# KiCad board NanoGaN.kicad_pcb (continued)
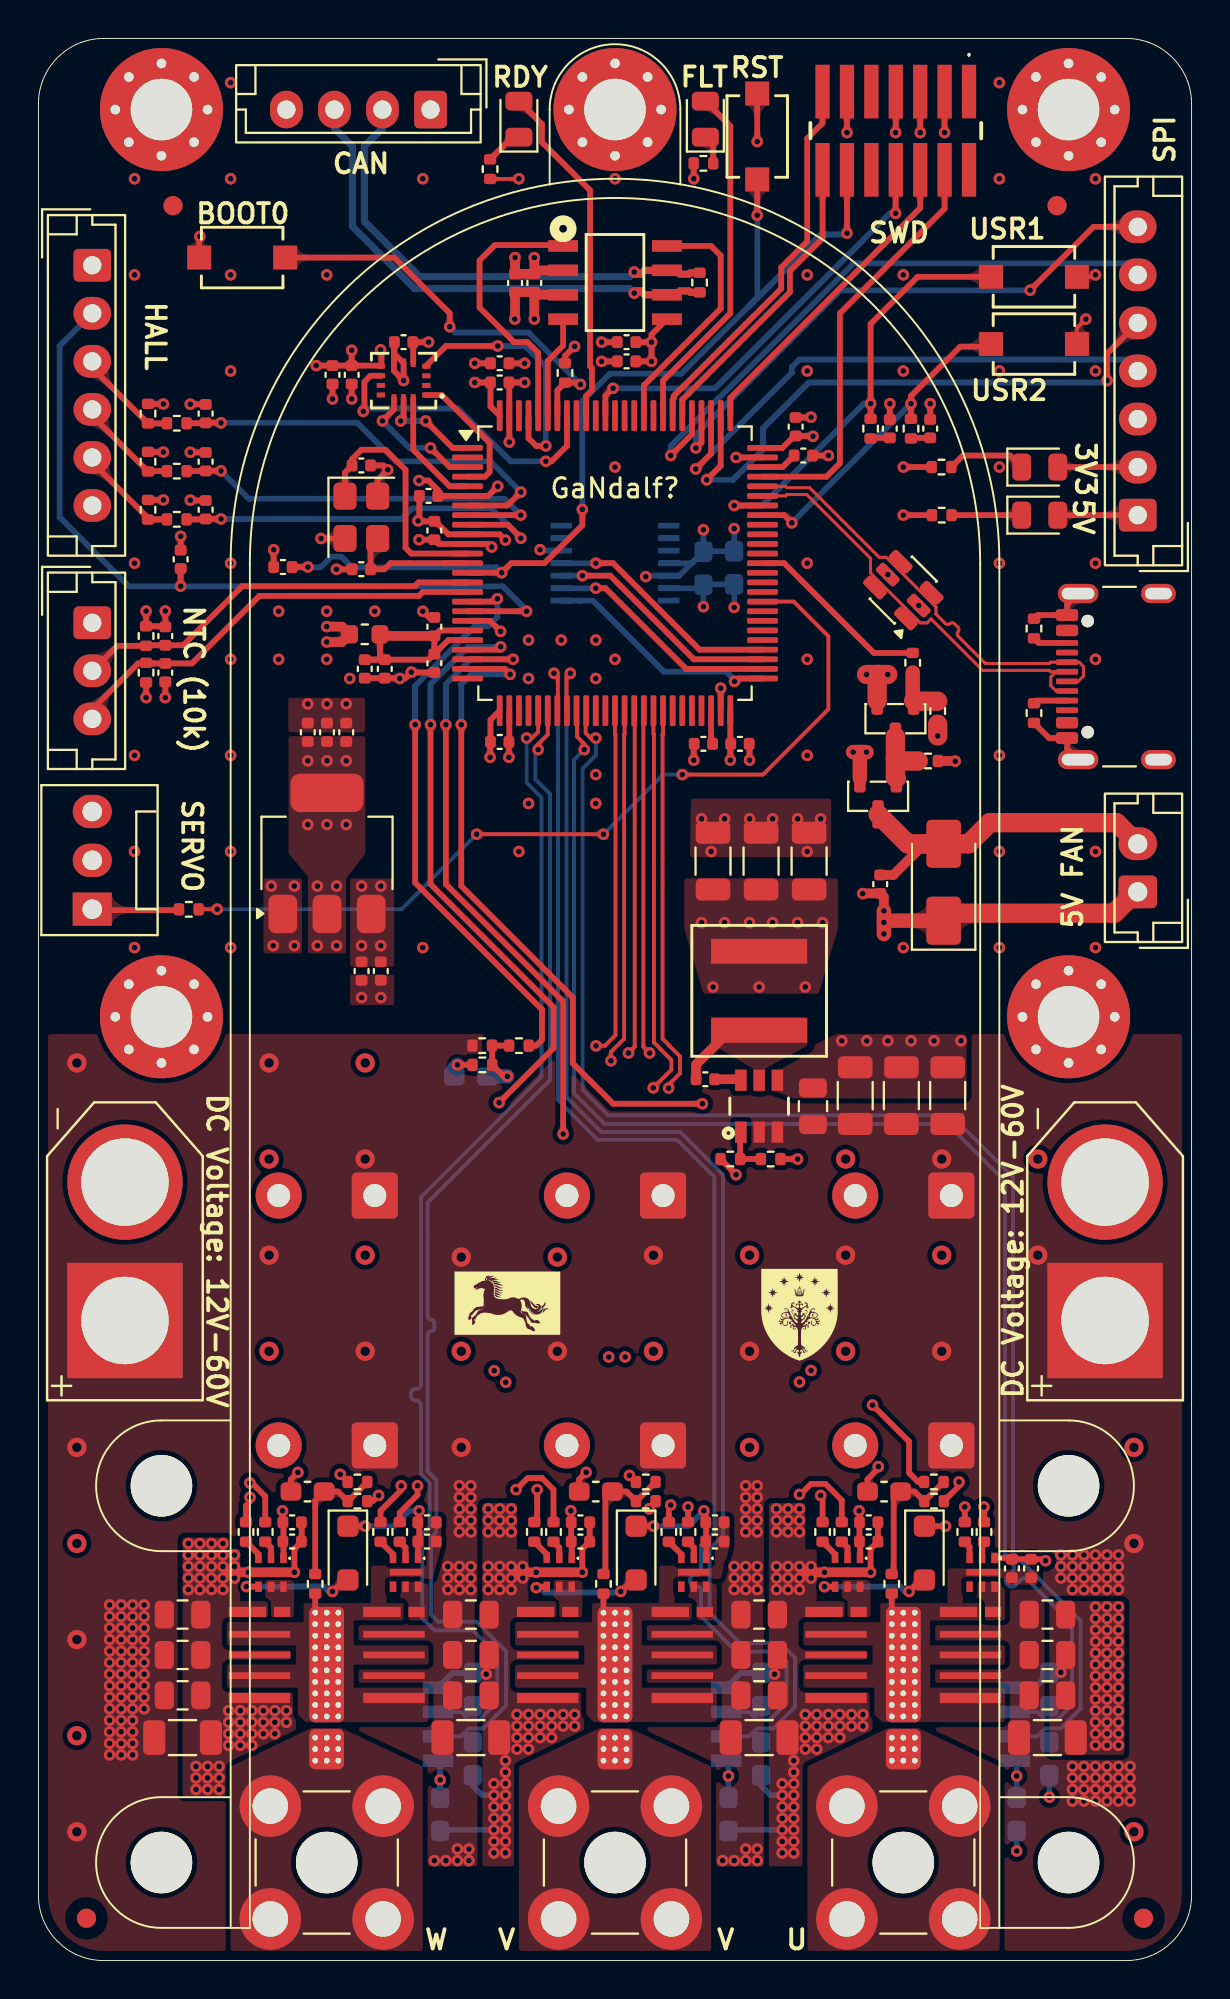
[diagram p0: board, top side]
## Routing (per net, layer and track width the routed paths; a pad name or vN(x,y) marks a point on that pad's centre or on a via; arc(x,y) is an arc through that point) (continued)
/Connectors/CAN+: length 25.7
  Top w0.158: U15.7 32.22,87.94
  Top w0.373: R6.1 33.92,87.81 33.85,87.74 33.37,87.74 33.17,87.94 U15.7 31.54,87.94 31.34,87.74 31.11,87.74 v1(31,87.85)
  Bottom w0.373: v1(31,87.85) 30.76,87.61 19.83,87.61 16.96,90.48 16.96,94.39 17.9,95.33 J11.2
/Connectors/CAN-: length 26.7
  Top w0.158: U15.6 32.22,86.67
  Top w0.2: 32.72,86.69 U15.6
  Top w0.373: R6.2 33.92,86.79 33.85,86.86 33.37,86.86 33.17,86.67 U15.6 31.54,86.67 31.34,86.86 31.11,86.86 v1(31,86.75)
  Bottom w0.373: J11.3 15.4,95.33 16.34,94.39 16.34,90.22 19.57,86.99 30.76,86.99 v1(31,86.75)
/Connectors/D+: length 22.7
  Top w0.152: 53.53,67.55 54.15,67.55 54.38,67.32 54.38,66.83 54.1,66.55 53.53,66.55
  Top w0.158: U1.71 38.88,76.7 38.95,76.63 40.12,76.63 43.75,73.01 44.11,73.01 46.71,70.41 46.71,70.06 46.7,70.06 47.2,69.56 arc(47.31,69.51) 47.43,69.56 arc(47.54,69.6) 47.66,69.56 47.85,69.36 arc(47.9,69.25) 47.85,69.13 arc(47.8,69.02) 47.85,68.9 49.27,67.48 52.59,67.48 52.66,67.55 53.53,67.55
/Connectors/D-: length 22.7
  Top w0.152: 53.53,67.05 52.95,67.05 52.67,66.77 52.67,66.33 52.95,66.05 53.53,66.05
  Top w0.158: U1.70 38.88,76.2 38.95,76.27 39.98,76.27 43.29,72.95 43.29,72.19 45.89,69.59 46.24,69.59 46.44,69.8 49.13,67.12 52.59,67.12 52.66,67.05 53.53,67.05
/Connectors/EXT_TEMP1: length 21.4
  Top w0.3: 2.81,67.09 J7.2 4.1,68.4 R21.1 5.63,68.43 C53.1 7.53,68.43 10.6,71.5 19.57,71.5 19.78,71.7 U1.15
/Connectors/EXT_TEMP2: length 22.6
  Top w0.2: J7.3 2.8,64.72
  Top w0.3: 6,67.49 C52.1 7.98,67.49 11.5,71 19.8,71 20,71.2 U1.16 ; 6,67.49 5.63,67.49 R11.1 5.59,67.51 ; 6,67.49 5.18,67.49 2.8,65.1
/Connectors/FAN_GATE: length 3.4
  Top w1: 44.59,62.51 44.69,62.41 R40.2 ; 44.59,62.51 44.59,61.56 Q7.2 ; 44.59,62.51 Q8.1
/Connectors/FAN_GATE_B: length 2.7
  Top w0.75: R43.1 45.49,65.6 Q8.2
  Top w1: Q8.2 45.57,65.52 R42.1
/Connectors/FAN_PWM: length 9.7
  Top w0.3: U1.63 38.8,72.7 43.47,68.03 R43.2
/Connectors/FANN: length 19
  Top w0.5: 46.1,58.1 44.48,56.48 C93.2
  Top w1: Q7.1 45.22,58.1 46.1,58.1 ; D3.2 46.1,58.1 ; 46.1,58.1 48.4,58.1 49.5,59.2 56.1,59.2 J8.2
/Connectors/HALL1: length 22
  Top w0.3: R34.2 8.68,79.98 C19.1 9.48,80 9.5,79.98 ; U1.7 24.4,75.7 v1(25.1,76.4)
  Bottom w0.3: v1(25.1,76.4) 25.1,76.42 23.52,78 18.59,78 16.59,80 v1(9.5,80)
/Connectors/HALL2: length 21.1
  Top w0.3: R35.2 8.69,77.49 C61.1 9.48,77.5 9.5,77.48 ; U1.8 v1(25.1,75.2)
  Bottom w0.3: v1(25.1,75.2) 24.25,76.05 23.63,76.05 23.63,76.05 10.95,76.05 v1(9.5,77.5)
/Connectors/HALL3: length 21.4
  Top w0.3: R36.2 8.68,74.98 C62.1 9.58,75 ; v1(25.1,74) 25.1,74.02 24.42,74.7 U1.9
  Bottom w0.3: v1(9.5,75) 18.9,75 19.45,75.55 23.57,75.55 25.1,74.02 v1(25.1,74)
/Connectors/HALL_IN1: length 5.4
  Top w0.3: R34.1 6.68,79.97 R29.2 2.8,82.87 J10.3 2.81,83.19
/Connectors/HALL_IN2: length 5.4
  Top w0.3: J10.4 2.8,80.37 R31.2 5.72,77.49 R35.1
/Connectors/HALL_IN3: length 6.4
  Top w0.3: J10.5 2.8,77.95 5.77,74.98 R36.1 5.71,74.98 R33.2
/Connectors/MOTOR_TEMP: length 41.7
  Top w0.3: v1(25.4,70.2) U1.18 ; 2.82,85.72 J10.2 ; C60.1 v1(7.4,71.5)
  Bottom w0.3: v1(25.4,70.2) 25.4,70.25 24.53,71.12 24.53,71.12 24.15,71.5 v1(7.4,71.5) 4.7,71.5 1.1,75.1 1.1,84 J10.2
/Connectors/NRST: length 58.5
  Top w0.3: C55.1 v1(14.02,72.5) ; U1.14 v1(24.1,72.2) 24.6,72.7 26.32,72.7 28.3,74.68 v1(28.3,75.5) ; v1(37.4,90.8) 37.4,92.4 ; v1(42.07,89.87) 42.07,93.17
  Bottom w0.3: 40.7,89.8 41.6,89.8 ; 40.7,89.8 41.6,89.8 ; 40.7,89.8 33.45,82.55 29.73,82.55 28.3,81.12 v1(28.3,75.5) ; 40.7,89.8 36.95,86.05 37.4,86.5 v1(37.4,90.8) ; v1(24.1,72.2) 23.81,72.49 16.15,72.49 16.15,72.65 15.77,73.04 15.23,73.04 14.68,72.49 14.03,72.49 v1(14.02,72.5) ; v1(42.07,89.87) 42,89.8 41.6,89.8
/Connectors/SERVO: length 45
  Top w0.2: v1(33.5,61.7) 37.7,61.7 41.1,65.1 41.1,68.9 39.3,70.7 U1.59 ; v1(9.3,54.7) 8.34,54.7 R39.2 ; v1(29.4,58.6) v1(22.8,58.6)
  Bottom w0.2: v1(29.4,58.6) 32.5,61.7 v1(33.5,61.7) ; v1(9.3,54.7) 18.9,54.7 v1(22.8,58.6)
/Connectors/SERVO_IN: length 4.3
  Top w0.3: 7.35,54.69 7.31,54.65 3.02,54.65
/Connectors/SPI3_MISO_I2C5_SCL: length 30
  Top w0.3: v1(51.6,86.9) 54.9,90.2 J9.7 ; U1.79 34.5,78.98 v1(34.21,78.69)
  Bottom w0.3: v1(51.6,86.9) 41.72,86.9 35.62,80.8 35.61,80.8 34.21,79.4 v1(34.21,78.69)
/Connectors/SPI3_MOSI_I2C5_SMBA: length 31.5
  Top w0.3: U1.80 34,79.4 v1(32.9,78.3)
  Bottom w0.3: v1(32.9,78.3) 32.9,78.8 35.4,81.3 35.41,81.3 42.41,88.3 56.6,88.3 J9.6
/Connectors/SPI3_NSS: length 30.9
  Top w0.3: U1.77 35.5,77.77 v1(34.77,77.03) ; J9.5 55.6,83.6 v1(55.6,82.2)
  Bottom w0.3: v1(55.6,82.2) 55.5,82.1 40.08,82.1 37.7,79.72 37.7,78.6 36.13,77.03 v1(34.77,77.03)
/Connectors/SPI3_SCK_I2C5_SDA: length 28.9
  Top w0.3: U1.78 35,78.4 v1(34.2,77.6)
  Bottom w0.3: J9.4 56.6,83.3 39.6,83.3 39.2,82.9 39.2,82.6 v1(34.2,77.6)
/Connectors/SWCLK: length 16.9
  Top w0.3: U1.76 36,81.3 45.88,91.18 45.88,93.17
/Connectors/SWDIO: length 21.5
  Top w0.3: 47.15,92.87 47.15,91.15 41.7,85.7 41.7,77.9 41,77.2 U1.72
/Connectors/SWO: length 22
  Top w0.3: 44.61,93.17 44.6,93.16 v1(44.6,90.9) ; v1(29.9,81.8) 29.5,81.4 U1.89
  Bottom w0.3: v1(29.9,81.8) 35.2,81.8 44.3,90.9
/Connectors/USBCC1: length 1.8
  Top w0.3: 53.53,65.55 51.94,65.55 R38.1
/Connectors/USBCC2: length 1.8
  Top w0.3: 53.53,68.55 52.04,68.55 R37.1
/Connectors/VCP_RX: length 20.1
  Top w0.3: U1.82 33,81.2 33.05,81.25 33.05,81.39 33.1,81.44 33.1,81.44 33.58,81.93 33.59,81.93 38.65,86.99 38.65,88.09 40,89.44 40,94.8 40.8,95.6 J6.13
/Connectors/VCP_TX: length 15.8
  Top w0.3: U1.81 33.5,81.2 33.55,81.25 33.55,81.26 33.77,81.48 33.78,81.48 39.1,86.8 39.1,87.9 40.8,89.6 40.8,93.17
/HalfBridgeU/BST: length 6
  Top w0.3: D7.2 45.9,19.8 v1(45.3,19.2) ; 40.95,19.45 40.96,19.45 U11.5
  Bottom w0.3: v1(40.9,19.45) 44.85,19.45 45.1,19.2 v1(45.3,19.2)
/HalfBridgeU/BST_OUT: length 9.8
  Top w0.3: U5.1 50.58,20.95 C31.2 C22.2 52.32,20.88 v1(52.4,20.8) ; D7.1 v1(47.2,22.6)
  In3.Cu w0.3: v1(47.2,22.6) 50.6,22.6 v1(52.4,20.8)
/HalfBridgeU/GATE+: length 65.6
  Top w0.15: 40.55,24.05 v1(40.7,24.2)
  Top w0.158: 32.43,64.95 32.5,65.03
  Top w0.2: v1(32.79,45.39) 32.79,45.57 33.38,46.16 33.38,47.04 32.8,47.62 32.8,47.63 32.47,47.96 32.47,63.8 32.5,63.82 32.5,65.03
  Top w0.3: v1(49.19,23.6) 49.2,23.59 R8.1 ; 40.8,24.2 v1(40.7,24.2) 40.8,24.1 R45.1
  In2.Cu w0.2: v1(40.7,24.2) 40.2,24.7 40.2,26.83 arc(40.27,27) 40.44,27.07 40.67,27.07 arc(40.84,27.14) 40.91,27.31 40.91,27.43 arc(40.84,27.6) 40.67,27.67 40.44,27.67 arc(40.27,27.74) 40.2,27.91 40.2,28.03 arc(40.27,28.2) 40.44,28.27 40.77,28.27 arc(40.94,28.34) 41.01,28.51 41.01,28.63 arc(40.94,28.8) 40.77,28.87 40.44,28.87 arc(40.27,28.94) 40.2,29.11 v1(40.2,30.7) 39.92,30.7 35.32,35.29 35.32,41.59 32.62,44.3 32.62,45.22 v1(32.79,45.39)
  In3.Cu w0.2: v1(40.2,30.7) 40.35,30.55 47.37,30.55 49.82,28.09 49.82,25.41 48.92,24.5 48.92,23.87 v1(49.19,23.6) 49.2,23.59
/HalfBridgeU/GATE-: length 65
  Top w0.2: 32,65.03 32,63.82 32.03,63.8 32.03,47.77 32.03,47.77 32.35,47.44 32.35,47.43 32.93,46.85 32.93,46.35 v1(31.99,45.4)
  Top w0.3: v1(39.6,24.25) 39.65,24.25 40.2,24.8 40.95,24.8 41.8,23.95 R44.1 ; R9.1 v1(48.2,23.6)
  In2.Cu w0.2: v1(31.99,45.4) 32.17,45.22 32.17,44.11 34.88,41.41 34.88,35.11 39.6,30.38 v1(39.6,30.1) 39.75,29.95 39.75,24.35 39.65,24.25 v1(39.6,24.25)
  In3.Cu w0.2: v1(39.6,30.1) 47.18,30.1 49.38,27.91 49.38,25.59 48.47,24.69 48.47,23.87 v1(48.2,23.6)
/HalfBridgeU/H+: length 0.9
  Top w0.3: U5.2 49.1,21.69 R8.2
/HalfBridgeU/H-: length 0.9
  Top w0.3: R9.2 48.45,21.54 U5.3
/HalfBridgeU/HS: length 1
  Top w0.3: R10.1 U_HB_PAD.1
/HalfBridgeU/I_CURR_SENS+: length 78.4
  Top w0.2: 28.41,63.01 28.41,63.29 28.03,63.67 28.03,64.35 28,64.38 28,65.03
  Bottom w0.2: 51.12,12.73 50.86,12.73 ; 28.41,63.01 27.88,62.48 27.88,45.11 29.46,43.53 47.31,43.53 50.3,40.53 50.3,21 50.7,20.6 50.7,20.58 arc(50.77,20.41) 50.7,20.24 50.4,19.94 arc(50.33,19.77) 50.4,19.6 50.48,19.51 arc(50.65,19.44) 50.82,19.51 51.12,19.82 arc(51.29,19.89) 51.46,19.82 53.78,17.51 53.78,13.29 53.01,12.53 52.39,12.53 51.98,12.94 U4.4
  vias: v1(28.4,63)
/HalfBridgeU/I_CURR_SENS-: length 77.8
  Top w0.2: 29.01,63.61 28.72,63.61 28.47,63.86 28.47,64.35 28.5,64.38 28.5,65.03
  Bottom w0.2: U4.5 51.98,11.67 52.39,12.08 53.19,12.08 54.22,13.11 54.22,17.69 50.7,21.22 50.7,40.77 47.49,43.98 29.64,43.98 28.33,45.29 28.33,62.03 29.01,62.71 29.01,62.97 29.01,63.61
  vias: v1(29,63.6)
/HalfBridgeU/L+: length 1
  Top w0.3: R44.2 42.1,21.49 U11.2
/HalfBridgeU/L-: length 1.1
  Top w0.3: R45.2 41.45,21.14 U11.3
/HalfBridgeU/U_PHASE_SENS: length 59.7
  Top w0.3: 24.49,66.92 v1(24.54,66.92) 24.26,67.2 U1.24 ; v1(34.55,44.58) 29.91,44.58 27.8,46.68 27.8,50.11 22,55.91 v1(22,64.3) 22,64.43 ; v1(43.4,28.9) 45.3,27 45.3,25.37 45.77,24.9 R19.2
  In2.Cu w0.3: 34.55,44.57 38.85,40.27 38.85,37.15 43.4,32.6 v1(43.4,28.9)
  Bottom w0.3: v1(24.54,66.92) 22.52,66.92 22,66.4 v1(22,64.3) 22,64.37
/HalfBridgeV/BST: length 6.3
  Top w0.3: 30.76,19.51 30.78,19.48 ; U12.5 25.9,19.45 ; v1(30.3,19.2) 30.9,19.8 D8.2
  Bottom w0.3: 25.9,19.45 26.05,19.45 26.35,19.15 30.4,19.15
  vias: v1(25.9,19.4)
/HalfBridgeV/BST_OUT: length 6.3
  Top w0.3: v1(34.62,23.4) 34.72,23.31 C48.2 ; 34.7,22.7 34.74,22.66 34.74,21.76 34.75,21.75 U8.1 ; D8.1 32.03,22.6
  Bottom w0.3: 32.03,22.6 33.82,22.6 v1(34.62,23.4)
  vias: v1(32,22.6)
/HalfBridgeV/GATE+: length 60.8
  Top w0.15: 25.8,24.35 v1(25.95,24.5)
  Top w0.2: v1(31.8,47.22) 31.48,47.54 31.48,65 31.5,65.03
  Top w0.3: R47.1 25.95,22.96 v1(25.95,24.5) ; R15.1 v1(33.8,23.6)
  In2.Cu w0.2: v1(31.8,47.22) 31.48,46.89 31.48,46.36 30.33,45.21 30.33,34.2 arc(30.4,34.03) 30.57,33.96 30.99,33.96 arc(31.16,33.89) 31.23,33.72 31.23,33.6 arc(31.16,33.43) 30.99,33.36 30.57,33.36 arc(30.4,33.29) 30.33,33.12 30.33,31.6 v1(30.53,31.4) 29.3,30.18 27.89,30.18 27.01,29.29 arc(26.94,29.12) 27.01,28.95 27.11,28.84 arc(27.18,28.68) 27.11,28.51 27.03,28.42 arc(26.86,28.35) 26.69,28.42 26.58,28.53 arc(26.41,28.6) 26.24,28.53 25.62,27.91 25.62,24.83 v1(25.95,24.5)
  In3.Cu w0.2: v1(33.8,23.6) 33.8,23.96 34.82,24.99 34.82,28.29 33.89,29.23 31.79,29.23 30.33,30.69 30.33,31.2 v1(30.53,31.4)
/HalfBridgeV/GATE-: length 61.9
  Top w0.2: 31,65.03 31.02,65 31.02,47.54 v1(30.7,47.22)
  Top w0.3: v1(24.85,24.5) 25.45,25.1 26.2,25.1 26.8,24.5 R46.1 ; v1(32.9,23.7) 32.8,23.6 R16.1
  In2.Cu w0.2: v1(24.85,24.5) 25.17,24.83 25.17,28.09 27.71,30.63 29.11,30.63 29.67,31.19 v1(29.67,31.4) 29.87,31.6 29.87,45.39 31.02,46.54 31.02,46.89 v1(30.7,47.22)
  In3.Cu w0.2: v1(32.9,23.7) 34.38,25.18 34.38,28.11 33.71,28.78 31.61,28.78 arc(31.44,28.85) 31.27,28.78 31.05,28.55 arc(30.88,28.48) 30.71,28.55 30.62,28.64 arc(30.55,28.81) 30.62,28.98 30.84,29.2 arc(30.91,29.37) 30.84,29.54 29.87,30.51 29.87,31.2 v1(29.67,31.4)
/HalfBridgeV/H+: length 1
  Top w0.3: U8.2 34.1,21.49 R15.2
/HalfBridgeV/H-: length 1.1
  Top w0.3: R16.2 33.45,21.14 U8.3
/HalfBridgeV/HS: length 1.7
  Top w0.3: 32.25,18.05 32.34,18.14 Q3.6 ; R20.1 HB_PAD_U.1
  Top w0.5: 35.65,21.81 35.66,21.8
/HalfBridgeV/I_CURR_SENS+: length 70.4
  Top w0.2: 27,65.03 27.02,65.05 27.02,66.77 v1(26.82,66.97)
  Bottom w0.2: 27.02,66.77 27.02,44.78 29.1,42.7 29.13,42.7 29.13,42.7 33.23,42.7 35.17,40.76 35.17,22.29 34.47,21.59 34.47,20.31 arc(34.4,20.14) 34.23,20.07 34.15,20.07 arc(33.98,20) 33.91,19.83 33.91,19.71 arc(33.98,19.54) 34.15,19.47 34.23,19.47 arc(34.4,19.4) 34.47,19.23 34.47,17.91 36.31,16.08 38.41,16.08 38.92,15.56 38.92,13.39 38.06,12.53 37.39,12.53 36.98,12.94 U6.4 ; 27.03,66.77 v1(26.82,66.97) 27.02,66.77 ; 37.5,13.24 37.5,13.66 ; 35.79,13.14 36.25,13.14
/HalfBridgeV/I_CURR_SENS-: length 70
  Top w0.2: 27.5,65.03 27.48,65.05 27.48,66.77 v1(27.67,66.97)
  Bottom w0.2: U6.5 36.98,11.67 37.39,12.08 38.24,12.08 39.38,13.21 39.38,15.74 38.59,16.53 36.49,16.53 34.92,18.09 34.92,21.41 35.62,22.11 35.62,40.88 33.4,43.1 29.3,43.1 27.48,44.92 27.48,66.77 ; 27.47,66.77 v1(27.67,66.97) 27.48,66.77 ; 35.79,11.87 36.25,11.87
/HalfBridgeV/L+: length 1
  Top w0.3: R46.2 27.1,21.49 U12.2
/HalfBridgeV/L-: length 1.1
  Top w0.3: R47.2 26.45,21.14 U12.3
/HalfBridgeV/U_PHASE_SENS: length 52
  Top w0.3: v1(27.3,43) 27.3,49.9 21.2,56 v1(21.2,64.3) ; v1(24.7,67.7) U1.23 ; v1(30.75,25.24) R27.2
  In3.Cu w0.3: v1(27.3,43) 29,41.3 29,31.1 29,29.1 30.75,27.35 v1(30.75,25.24)
  Bottom w0.3: v1(24.7,67.7) 22.5,67.7 21.2,66.4 v1(21.2,64.3)
/HalfBridgeW/BST: length 6.1
  Top w0.3: 15.2,19.1 15.9,19.8 ; U13.5 10.83,19.45 v1(10.82,19.46)
  Bottom w0.3: 15.2,19.1 14.84,19.46 v1(10.82,19.46)
  vias: v1(15.3,19.2)
/HalfBridgeW/BST_OUT: length 6.6
  Top w0.3: v1(19.8,23.4) 19.8,22.82 19.82,22.8 19.82,21.8 19.75,21.73 U10.1 ; 15.9,22.6 16.9,22.6
  Bottom w0.3: v1(17,22.6) 18.5,22.6 19.3,23.4 v1(19.8,23.4)
/HalfBridgeW/GATE+: length 68.7
  Top w0.2: 30.5,65.03 30.5,63.82 30.47,63.8 30.47,47.96 29.79,47.27 v1(29.79,46.81)
  Top w0.3: 11.01,23.88 10.8,23.67 R49.1 ; v1(19.72,24.7) 19.72,24.23 18.8,23.3 R22.1
  In2.Cu w0.2: v1(29.79,46.81) 29.33,46.81 24.82,42.31 24.82,34.36 arc(24.9,34.19) 25.06,34.12 25.4,34.12 arc(25.57,34.05) 25.64,33.88 25.64,33.76 arc(25.57,33.59) 25.4,33.52 25.06,33.52 arc(24.9,33.45) 24.82,33.28 24.82,33.16 arc(24.9,32.99) 25.06,32.92 25.4,32.92 arc(25.57,32.85) 25.64,32.68 25.64,32.56 arc(25.57,32.39) 25.4,32.32 25.06,32.32 arc(24.9,32.25) 24.82,32.08 24.82,30.88 24.32,30.37 v1(24.32,30.09) 24.03,30.09 23.02,29.08 15.98,29.08 15.12,28.22 15.12,25.41 13.97,24.25 11.15,24.25 v1(11.01,24.1)
  In3.Cu w0.2: v1(19.72,24.7) 19.53,24.9 19.53,25.58 24.03,30.09 v1(24.32,30.09)
/HalfBridgeW/GATE-: length 69.6
  Top w0.152: 30,65.03 29.97,65
  Top w0.2: v1(29.01,47.59) 29.47,47.59 30.03,48.14 30.03,63.8 30,63.82 30,65.03
  Top w0.3: v1(18.88,24.7) 18.88,24.48 17.8,23.4 R23.1 ; R48.1 11.8,24.16 11.11,24.85 v1(11,24.85)
  In2.Cu w0.2: v1(29.01,47.59) 29.01,47.13 24.38,42.49 24.38,31.06 24,30.69 v1(23.71,30.69) 23.71,30.4 22.84,29.53 15.8,29.53 14.67,28.4 14.67,25.59 13.78,24.7 11.15,24.7 v1(11,24.85)
  In3.Cu w0.2: v1(23.71,30.69) 23.71,30.4 21.71,28.4 arc(21.54,28.33) 21.37,28.4 21.15,28.62 arc(20.98,28.69) 20.81,28.62 20.73,28.53 arc(20.65,28.36) 20.73,28.19 20.94,27.97 arc(21.02,27.8) 20.94,27.63 20.86,27.55 arc(20.69,27.48) 20.52,27.55 20.3,27.77 arc(20.13,27.84) 19.96,27.77 19.88,27.68 arc(19.81,27.52) 19.88,27.35 20.1,27.13 arc(20.17,26.96) 20.1,26.79 19.07,25.76 19.07,24.9 v1(18.88,24.7)
/HalfBridgeW/H+: length 1
  Top w0.3: R22.2 19.1,21.49 U10.2
/HalfBridgeW/H-: length 1.1
  Top w0.3: R23.2 18.45,21.14 U10.3
/HalfBridgeW/HS: length 1
  Top w0.3: R28.1 V_HB_PAD.1
/HalfBridgeW/I_CURR_SENS+: length 62.3
  Top w0.2: 26,65.03 26,63.92 25.69,63.61 25.41,63.61
  Bottom w0.2: 25.41,63.61 25.41,61.28 26.17,60.51 26.17,45.99 19.9,39.72 19.9,29.98 arc(19.83,29.81) 19.66,29.74 19.63,29.74 arc(19.46,29.67) 19.39,29.5 19.39,29.38 arc(19.46,29.21) 19.63,29.14 19.66,29.14 arc(19.83,29.07) 19.9,28.9 19.9,25.3 20.35,24.86 20.35,23.63 20.35,23.63 20.35,23.17 20.35,23.17 20.35,22.57 19.97,22.19 19.97,17.81 20.61,17.18 22.61,17.18 23.88,15.91 23.88,13.45 22.95,12.53 22.39,12.53 21.98,12.94 U7.4
  vias: v1(25.4,63.6)
/HalfBridgeW/I_CURR_SENS-: length 62.7
  Top w0.2: 26.01,63.01 26.01,63.29 26.5,63.78 26.5,65.03
  Bottom w0.2: 26.01,63.01 25.86,62.86 25.86,61.46 26.62,60.69 26.62,45.81 20.25,39.43 20.25,33.52 arc(20.3,33.39) 20.43,33.34 arc(20.55,33.29) 20.6,33.17 20.6,32.92 arc(20.55,32.79) 20.43,32.74 arc(20.3,32.69) 20.25,32.57 20.25,25.45 20.7,25 20.7,23.78 20.7,23.77 20.7,23.03 20.7,23.02 20.7,22.28 20.42,22.01 20.42,18 20.8,17.62 22.79,17.62 24.32,16.09 24.32,13.26 23.14,12.08 22.39,12.08 21.98,11.67 U7.5
  vias: v1(26,63)
/HalfBridgeW/L+: length 1
  Top w0.3: R48.2 12.1,21.49 U13.2
/HalfBridgeW/L-: length 1.1
  Top w0.3: R49.2 11.45,21.14 U13.3
/HalfBridgeW/U_PHASE_SENS: length 55.2
  Top w0.3: v1(23.97,44.63) 26.8,47.47 26.8,49.6 20.4,56 v1(20.4,64.3) ; R32.2 16.09,24.91 v1(15.7,25.3) ; U1.22 23.9,68.2 v1(24.05,68.35)
  In3.Cu w0.3: v1(23.97,44.63) 20.5,41.17 20.5,37.2 15.7,32.4 v1(15.7,25.3)
  Bottom w0.3: v1(20.4,64.3) 20.4,66.4 22.35,68.35 v1(24.05,68.35)
/MCU/HSE_IN: length 12.9
  Top w0.3: X1.1 15.95,77.42 C69.1 16.32,78.12 16.8,78.6 18.06,78.6 19.1,77.56 19.1,73.5 19.4,73.2 U1.12
/MCU/HSE_OUT: length 7.2
  Top w0.2: 17.28,73.62 X1.3
  Top w0.3: 21.1,72.7 18.31,72.7 18,72.39 C70.1 17.28,73.62 ; 21.1,72.7 U1.13 ; 21.1,72.7 21.42,72.7
/MCU/U_DC_SENS: length 30.3
  Top w0.3: R7.2 25.9,47.6 26.2,47.9 26.2,49.48 19.6,56.08 v1(19.6,64.3) ; v1(23.88,70.85) 23.73,70.7 U1.17
  Bottom w0.3: v1(23.88,70.85) 23.88,69.9 23.4,69.42 22.72,69.42 22.15,68.85 22.14,68.85 19.6,66.31 v1(19.6,64.3)
/MCU/VCAP1: length 1.8
  Top w0.3: C83.1 35,63.38 35,65.03
/MCU/VCAP2: length 1.9
  Top w0.3: C84.1 38.72,77.7 U1.73
/Power/SW_CB: length 1.4
  Top w0.5: C5.1 36.5,45.85 U2.6
/Power/SW_FB: length 2.6
  Top w0.3: R1.2 37.59,41.69 37.5,41.6 37.4,41.7 R2.1 36.51,43.06 U2.1
/Power/SW_SMPS: length 4.8
  Top w0.5: C5.2 34.22,46.62 35.99,48.39 L1.1
ACTIVE: length 18.1
  Top w0.3: U1.91 28.5,81.4 28.8,81.7 28.8,82.85 28.7,82.95 28.7,92.1 26.2,94.6 26.2,95.54 D5.2
BOOT0: length 21.2
  Top w0.3: SW2.2 18.5,88.6 21.4,85.7 v1(21.4,85) ; U1.94 27,81.69 R41.2 28.11,82.09 v1(28.2,82)
  Bottom w0.3: v1(21.4,85) 21.7,84.7 25.5,84.7 v1(28.2,82)
ERROR: length 18.4
  Top w0.3: U1.83 32.5,82.2 36,85.7 36,95.44 D4.2
FDCAN1_RX: length 5.4
  Top w0.3: U15.4 27.3,84.02 26.5,83.22 U1.95
FDCAN1_STB: length 13
  Top w0.3: U15.8 35,89.21 35.5,88.7 35.5,85.95 31.5,81.95 U1.85
FDCAN1_TX: length 14.4
  Top w0.3: U1.96 26,83.65 25.45,84.2 24.75,84.2 22.95,86 22.95,88.45 23.75,89.25 27.25,89.25 U15.1
IMU_INT1: length 13.5
  Top w0.3: U1.97 25.5,79.2 25.9,78.8 v1(26.4,78.8) ; v1(23.9,84) 21.21,84 20.16,82.95
  Bottom w0.3: v1(23.9,84) 25.32,84 26.4,82.92 v1(26.4,78.8)
IMU_INT2: length 16.3
  Top w0.3: U1.93 27.5,78.8 26.7,78 v1(26.4,78) ; v1(16.9,80.6) 16.96,80.66 16.96,82.14 17.27,82.45 17.84,82.45
  Bottom w0.3: v1(16.9,80.6) 17.05,80.75 21.83,80.75 24.58,78 v1(26.4,78)
SPI2_MISO: length 12.3
  Top w0.3: U1.53 34.1,67.7 29.75,72.05 v1(28.3,72.05)
  Bottom w0.3: U14.3 v1(28.3,72.05)
SPI2_MOSI: length 12.3
  Top w0.3: v1(29,72.7) 29.9,72.7 34.4,68.2 U1.54
  Bottom w0.3: U14.4 v1(29,72.7)
SPI2_NSS: length 12.3
  Top w0.3: U1.51 36.44,66.7 36.29,66.55 v1(36.22,66.55)
  Bottom w0.3: U14.1 28.85,70.75 32.55,67.05 35.78,67.05 36.22,66.62 v1(36.22,66.55)
SPI2_SCK: length 12.2
  Top w0.3: U1.52 33.7,67.2 29.5,71.4 v1(29,71.4)
  Bottom w0.3: v1(29,71.4) U14.2
SPI4_MISO: length 7.1
  Top w0.3: 20.16,81.45 20.98,81.45 23.48,78.95 23.48,77.45 23.23,77.2 U1.4
SPI4_MOSI: length 6.3
  Top w0.3: 19.5,81.29 19.5,78.6 21.4,76.7 U1.5
SPI4_NSS: length 6.9
  Top w0.3: v1(17.9,80.1) 18.5,80.7 18.5,81.29 ; v1(20.4,78.7) 21.4,77.7 U1.3
  Bottom w0.3: v1(17.9,80.1) 19.3,78.7 v1(20.4,78.7)
SPI4_SCK: length 5.3
  Top w0.3: U1.1 21.55,78.7 v1(20.15,80.1) ; v1(18.85,80.1) 19,80.25 19,81.29
  Bottom w0.3: v1(20.15,80.1) v1(18.85,80.1)
U_DC: length 0.1
  In3.Cu w1: v2(52,36.7) 52.1,36.7
  vias: v1(3.7,18.5) v1(3.7,17.9) v1(3.7,17.3) v1(3.7,16.7) v1(3.7,16.1) v1(3.7,15.5) v1(3.7,14.9) v1(3.7,14.3) v1(3.7,13.7) v1(3.7,13.1) v1(3.7,12.5) v1(3.7,11.9) v1(3.7,11.3) v1(3.7,10.7) v1(4.3,18.5) v1(4.3,17.9) v1(4.3,17.3) v1(4.3,16.7) v1(4.3,16.1) v1(4.3,15.5) v1(4.3,14.9) v1(4.3,14.3) v1(4.3,13.7) v1(4.3,13.1) v1(4.3,12.5) v1(4.3,11.9) v1(4.3,11.3) v1(4.3,10.7) v1(4.9,18.5) v1(4.9,17.9) v1(4.9,17.3) v1(4.9,16.7) v1(4.9,16.1) v1(4.9,15.5) v1(4.9,14.9) v1(4.9,14.3) v1(4.9,13.7) v1(4.9,13.1) v1(4.9,12.5) v1(4.9,11.9) v1(4.9,11.3) v1(4.9,10.7) v1(5.5,18.5) v1(5.5,17.9) v1(5.5,17.3) v1(5.5,16.7) v1(5.5,16.1) v1(5.5,15.5) v1(5.5,14.9) v1(5.5,14.3) v1(5.5,13.7) v1(5.5,13.1) v1(20.6,5.2) v1(21.2,5.2) v1(21.3,20.5) v1(21.3,19.9) v1(21.3,19.3) v1(21.8,5.8) v1(21.8,5.2) v1(21.9,24.7) v1(21.9,24.1) v1(21.9,23.5) v1(21.9,22.9) v1(21.9,22.3) v1(21.9,20.5) v1(21.9,19.9) v1(21.9,19.3) v1(22.4,5.8) v1(22.4,5.2) v1(22.5,24.7) v1(22.5,24.1) v1(22.5,23.5) v1(22.5,22.9) v1(22.5,22.3) v1(22.5,20.5) v1(22.5,19.9) v1(22.5,19.3) v1(35.6,5.2) v1(36.2,20.5) v1(36.2,19.9) v1(36.2,19.3) v1(36.2,5.2) v1(36.8,24.7) v1(36.8,24.1) v1(36.8,23.5) v1(36.8,22.9) v1(36.8,22.3) v1(36.8,20.5) v1(36.8,19.9) v1(36.8,19.3) v1(36.8,5.8) v1(36.8,5.2) v1(37.4,24.7) v1(37.4,24.1) v1(37.4,23.5) v1(37.4,22.9) v1(37.4,22.3) v1(37.4,20.5) v1(37.4,19.9) v1(37.4,19.3) v1(37.4,5.8) v1(37.4,5.2) v1(53.2,21.1) v1(53.2,20.5) v1(53.2,19.9) v1(53.8,21.1) v1(53.8,20.5) v1(53.8,19.9) v1(53.8,19.3) v1(53.8,10.1) v1(53.8,9.5) v1(53.8,8.9) v1(53.8,8.3) v1(54.4,21.1) v1(54.4,20.5) v1(54.4,19.9) v1(54.4,19.3) v1(54.4,10.1) v1(54.4,9.5) v1(54.4,8.9) v1(54.4,8.3) v1(55,21.1) v1(55,20.5) v1(55,19.9) v1(55,19.3) v1(55,10.1) v1(55,9.5) v1(55,8.9) v1(55,8.3) v1(55.6,21.1) v1(55.6,20.5) v1(55.6,19.9) v1(55.6,19.3) v1(55.6,10.1) v1(55.6,9.5) v1(55.6,8.9) v1(55.6,8.3) v1(56.2,21.1) v1(56.2,20.5) v1(56.2,19.9) v1(56.2,19.3) v1(56.2,10.1) v1(56.2,9.5) v1(56.2,8.9) v1(56.2,8.3) v1(56.8,10.1) v1(56.8,9.5) v1(56.8,8.9) v1(56.8,8.3) v2(2,46.7) v2(2,26.7) v2(2,16.7) v2(2,6.7) v2(12,46.7) v2(12,36.7) v2(17,41.7) v2(17,31.7) v2(22,36.6) v2(22,26.7) v2(27,31.7) v2(32,36.7) v2(37,31.7) v2(42,36.7) v2(47,41.7) v2(47,31.7) v2(57,21.7)
USR_BTN1: length 23.1
  Top w0.3: U1.69 v1(36.2,75.7) ; SW3.2 45.75,87.6 43.3,85.15 v1(43.3,81) R56.1 43.31,80.21 43.4,80.3
  Bottom w0.3: v1(43.3,81) 42.95,81 37.65,75.7 v1(36.2,75.7)
USR_BTN2: length 16.9
  Top w0.3: v1(39.2,74.8) 38.8,75.2 U1.68 ; R57.1 v1(45.4,81) 45.4,81.4 47.96,83.96 49.43,83.96 SW4.2
  Bottom w0.3: v1(39.2,74.8) v1(45.4,81)
Net-(C18-Pad1): length 4.1
  Top w0.3: R7.1 R4.2 23.61,47.59 R5.1 24.21,46 v1(24.4,46) ; 24.39,47.6 24.49,47.5
  Bottom w0.75: v1(24.4,46) C18.1
Net-(C36-Pad1): length 7.3
  Top w0.3: R19.1 46.1,23.9 R12.1 45.59,24.4 C36.1 44.5,24.04 44.5,20.21 R10.2
Net-(C85-Pad1): length 7.4
  Top w0.3: R20.2 29.5,20.21 29.5,24.04 C85.1 30.6,24.4 31.09,23.91 R26.1 31.11,23.9 R27.1
Net-(C87-Pad1): length 7.4
  Top w0.3: R28.2 14.4,23.94 C87.1 15.59,24.4 R30.1 16.11,23.9 R32.1
Net-(C94-Pad1): length 1
  Top w0.3: C94.1 43.33,79.22 R56.2
Net-(C95-Pad1): length 1
  Top w0.3: R57.2 45.43,79.22 C95.1
Net-(D1-K): length 4.2
  Top w0.3: D1.1 50.56,78.3 48.1,78.3 R3.1
Net-(D4-K): length 1.5
  Top w0.3: R58.1 35.11,94.45 D4.1
Net-(D5-K): length 2
  Top w0.3: R59.1 24.65,94.86 D5.1
Net-(D6-K): length 3.7
  Top w0.3: R60.1 D6.1

## Copper pours and planes (outline as drawn; the poured copper is in the pictures)
+3V3 on Top: 14.01,52.4 14.01,56.4 13.01,57.6 13.01,63.7 17.01,63.7 17.01,57.6 16.01,56.3 16.01,52.4
+3V3 on In2.Cu: 33.9,49.7 33.9,48.2 43.2,42.1 43.2,21.9 19.39,21.9 19.39,18.1 20.4,18.1 20.4,8.7 22.5,8.7 22.5,18.1 23.9,18.1 23.9,20.4 35.4,20.4 35.4,8.6 36.6,8.6 36.6,20.5 49.6,20.6 49.6,9 51.4,9 51.4,44.9 41.1,48.2 41.1,49.7
+3V3 on In2.Cu: 0,49.7 0,100 60,100 60,49.7
+5V on Top: 34.6,50.3 40.6,50.3 41.6,53.7 41.6,56.3 33.6,56.3 33.6,53.7
+5V on Top: 16.21,56.3 16.21,51.7 18.51,51.7 18.51,56.3
+5V on In3.Cu: 0,49.6 0,100 60,100 60,49.6
+5V on In3.Cu: 12.3,20.1 43.1,20.2 43.08,20.2 43.08,25.5 41,25.5 41.1,54.7 34,54.7 34,26.8 12.3,26.7
GND on Top: 48.3,48.2 48.3,44.85 39.3,44.85 38.1,45.3 38.1,46.5 41.5,48.2
GND on Top: 42,18.7 40.5,18.7 40.5,21.4 39.9,21.4 39.9,23.8 38,23.8 38,4.9 39.8,4.9 39.8,10.14 43.4,11.9 43.4,17.7 42,17.7
GND on Top: 13,63.9 17,63.9 17,65.7 13,65.7
GND on Top: 27,18.7 25.5,18.7 25.5,21.4 24.9,21.4 24.9,23.8 23.1,23.8 23.1,4.9 24.8,4.9 24.8,10.14 28.4,11.9 28.4,17.7 27,17.7
GND on Top: 13.71,56.3 13.71,52.4 11.71,52.4 11.71,56.3
GND on Top: 16.21,51.3 16.21,49.7 18.51,49.7 18.51,51.3
GND on Top: 33.95,60.45 41.25,60.45 41.25,57.4 33.9,57.4
GND on Top: 12,18.7 10.5,18.7 10.5,21.4 9.9,21.4 9.9,22 7.5,22 7.5,8.55 9.8,8.55 9.8,10.14 13.4,11.9 13.4,17.7 12,17.7
GND on Top, Bottom, In1.Cu, In2.Cu, In3.Cu, In4.Cu: 52.6,10.7 52.6,18.7 56.5,18.7 56.5,10.7
GND on In1.Cu, In2.Cu, In3.Cu, In4.Cu: 0,0 0,48.2 60,48.2 60,0
GND on In1.Cu, In4.Cu: 33.9,48.2 33.9,49.7 41.1,49.7 41.1,48.2
GND on In1.Cu, In4.Cu: 25.6,48.2 25.6,49.7 33.3,49.7 33.3,48.2
GND on In1.Cu, In4.Cu: 11.2,66.1 25,66.1 25,59.6 29.5,59.6 29.5,69.5 26.2,69.5 26.2,71.9 11.2,71.9
GND on In1.Cu, In4.Cu: 0,100 0,72.1 26.5,72.1 26.5,69.7 29.7,69.7 29.7,59.4 24.8,59.4 24.8,65.9 11,65.9 11,72.1 0,72.1 0,49.7 60,49.7 60,100
/HalfBridgeU/HIGH_GATE on Top: 49.1,17.7 49.1,18.7 48.8,18.9 48.8,19.8 50.3,19.8 50.3,17.7
/HalfBridgeU/HS on Top: 48.1,18.6 48.1,19.9 50.32,19.9 50.32,19.55 52,19.55 52.01,20.41 50.2,20.4 47.3,20.4 47.3,18.6
/HalfBridgeU/HS on Top, Bottom, In1.Cu, In2.Cu, In3.Cu, In4.Cu: 49,18.6 43.8,18.6 43.8,17.6 39.8,17.61 39.8,16.4 43.4,16.4 43.4,15.4 39.8,15.4 39.8,14.2 43.5,14.2 43.5,12.8 43.9,12.4 50.3,12.4 50.3,14.2 46.4,14.2 46.4,15.4 50.3,15.4 50.3,16.4 46.4,16.4 46.4,17.7 49,17.7
/HalfBridgeU/LOW_GATE on Top: 42.1,17.7 42.1,18.7 41.8,18.9 41.8,19.8 43.3,19.8 43.3,17.7
/HalfBridgeU/PHASE on Top, Bottom, In1.Cu, In2.Cu, In3.Cu, In4.Cu: 50.01,10.1 45.76,12.1 44.21,12.1 40.01,10.1 40.01,0.1 50.01,0.1
/HalfBridgeV/HIGH_GATE on Top: 34.1,17.7 34.1,18.7 33.8,18.9 33.8,19.8 35.3,19.8 35.3,17.7
/HalfBridgeV/HS on Top: 33.1,18.6 33.1,19.85 35.5,19.85 35.95,21.5 35.95,23.1 35.2,23.1 35.2,20.55 32.3,20.55 32.3,18.6
/HalfBridgeV/HS on Top, Bottom, In1.Cu, In2.Cu, In3.Cu, In4.Cu: 34,18.6 28.8,18.6 28.8,17.6 24.8,17.61 24.8,16.4 28.4,16.4 28.4,15.4 24.8,15.4 24.8,14.2 28.5,14.2 28.5,12.8 28.9,12.4 35.3,12.4 35.3,14.2 31.4,14.2 31.4,15.4 35.3,15.4 35.3,16.4 31.4,16.4 31.4,17.7 34,17.7
/HalfBridgeV/LOW_GATE on Top: 27.1,17.7 27.1,18.7 26.8,18.9 26.8,19.8 28.3,19.8 28.3,17.7
/HalfBridgeV/PHASE on Top, Bottom, In1.Cu, In2.Cu, In3.Cu, In4.Cu: 35,10.1 30.75,12.1 29.2,12.1 25,10.1 25,0.1 35,0.1
/HalfBridgeW/HIGH_GATE on Top: 19.1,17.7 19.1,18.7 18.8,18.9 18.8,19.8 20.3,19.8 20.3,17.7
/HalfBridgeW/HS on Top: 18.1,18.6 18.1,19.85 20.5,19.85 20.95,21.5 20.95,23.1 20.2,23.1 20.2,20.55 17.3,20.55 17.3,18.6
/HalfBridgeW/HS on Top, Bottom, In1.Cu, In2.Cu, In3.Cu, In4.Cu: 19,18.6 13.8,18.6 13.8,17.6 9.8,17.61 9.8,16.4 13.4,16.4 13.4,15.4 9.8,15.4 9.8,14.2 13.5,14.2 13.5,12.8 13.9,12.4 20.3,12.4 20.3,14.2 16.4,14.2 16.4,15.4 20.3,15.4 20.3,16.4 16.4,16.4 16.4,17.7 19,17.7
/HalfBridgeW/LOW_GATE on Top: 12.1,17.7 12.1,18.7 11.8,18.9 11.8,19.8 13.3,19.8 13.3,17.7
/HalfBridgeW/PHASE on Top, Bottom, In1.Cu, In2.Cu, In3.Cu, In4.Cu: 20,10.1 15.75,12.1 14.2,12.1 10,10.1 10,0.1 20,0.1
/Power/SW_SMPS on Top: 37.2,45.2 37.2,46.4 35,47.7 35,49.1 40,49.1 40,47.6 37.8,46.4 37.8,45.2
U_DC on Top, Bottom: 0,48.2 0,0 60,0 60,48.2

Small or netless copper shapes (teardrops, artwork), in the pictures only: 484 on Top, 109 on Bottom, 3 on In1.Cu, 7 on In2.Cu, 2 on In3.Cu

## Text on the board
B.Silkscreen: 5V | TEMP | 3V3 | HALL1 | HALL2 | HALL3 | GND | NTC1 | NTC2 | SERVO | MISO | MOSI | CS | SCK | CANL | CANH | + | NanoGaN | Rev. A01
F.Silkscreen: GaNdalf? | BOOT0 | CAN | W | RDY | V | FLT | RST | U | SWD | USR1 | USR2 | DC Voltage: 12V-60V | 5V FAN | SPI | HALL | SERVO | NTC (10k) | 5V | 3V3
In1.Cu: 1
In2.Cu: 2
In3.Cu: 3
In4.Cu: 4
